# Altium PCB GE21_M1_pku_f100.PcbDoc (part 9 of 19)
Units mm, origin at the board's own origin, x right, y up, seen from the top; angles counter-clockwise.
Board outline 423.9 x 668.59 mm, 8 copper layers (Top Layer, Signal 1, DGNG1, POWER, AGND, DGND2, Signal 2, Bottom Layer), stack 1.03 mm thick; 171 components, 336 nets, 2040 pads, 4872 vias.
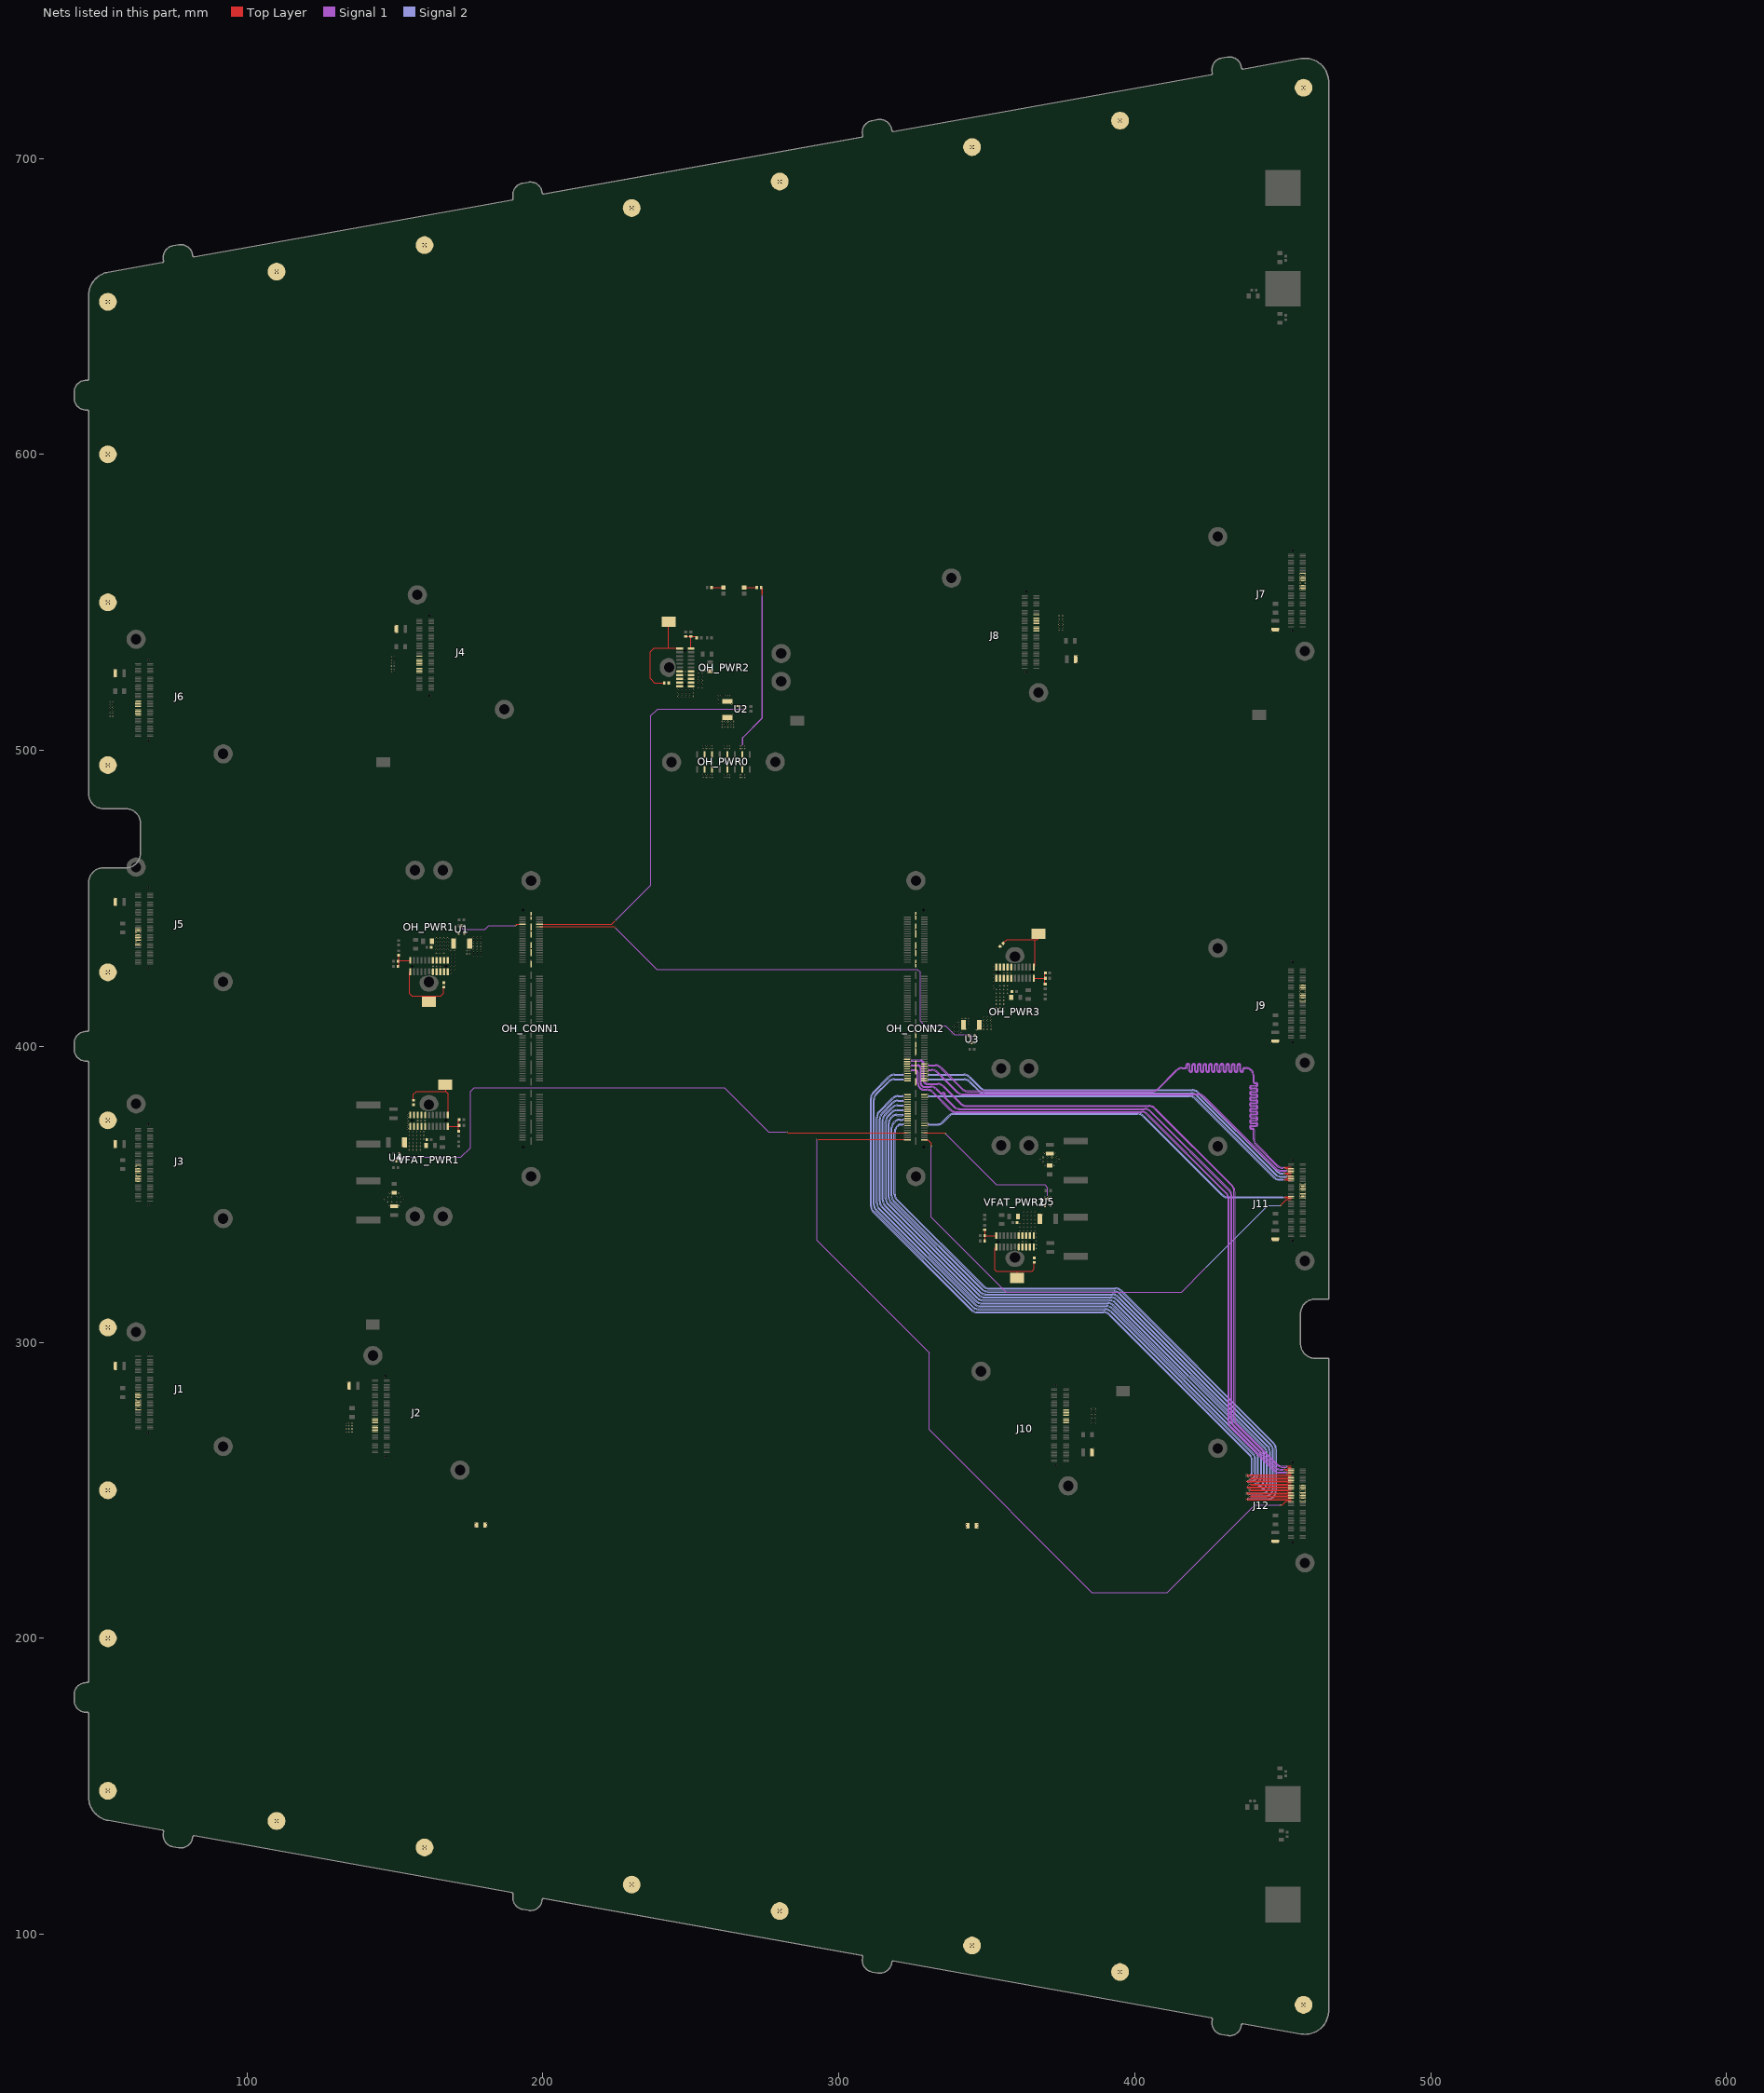
[diagram p15: the nets of this part, all layers, seen from the top]

## Via types
v1: diameter 0.508, hole 0.203, Top Layer to Bottom Layer, tented both sides, 1688 vias
v2: diameter 0.402/0.402/0.402/0.201 (per signal layer), hole 0.201, Top Layer to Bottom Layer, tented both sides, 1040 vias
v3: diameter 0.507, hole 0.202, Top Layer to Bottom Layer, tented both sides, 780 vias
v4: diameter 0.4, hole 0, Top Layer to Bottom Layer, tented both sides, 438 vias
v5: diameter 0.4, hole 0.2, Top Layer to Bottom Layer, tented both sides, 288 vias
v6: diameter 0.51, hole 0.204, Top Layer to Bottom Layer, tented both sides, 288 vias
v7: diameter 0.6/0.4/0.4/0.4 (per signal layer), hole 0.3, Top Layer to Bottom Layer, tented both sides, 254 vias
v8: diameter 0.402, hole 0.201, Top Layer to Bottom Layer, tented both sides, 96 vias

## Nets (pads, with @x,y where several pads share a name; then routed paths per layer and width w, separated by ;. In a path a pad name is that pad's centre, name@x,y a point inside that pad or via, vN(x,y) a via of type N, cw(c..) or ccw(c..) an arc to the next point about the centre after c; other vN are vias at no path point) (continued)
J11D6_N: J11.80 OH_CONN2.40 | length 134.4
  Top Layer w0.115: v5(450.5,355.3) ccw(c450.802,355.602) 450.802,355.175 451.625,355.175 451.7,355.25 J11.80@452.75,355.25
  Signal 2 w0.115: v6(330,383.6) ccw(c330.543,384.143) 330.543,383.375 418.428,383.375 cw(c418.428,380.485) 420.471,382.529 447.081,355.919 ccw(c448.877,357.715) 448.877,355.175 450.198,355.175 ccw(c450.198,355.602) v5(450.5,355.3)
  other v4: 450.43,355.3 450.57,355.3
J11D6_P: J11.78 OH_CONN2.38 | length 134.4
  Top Layer w0.115: v5(450.5,354.7) cw(c450.802,354.398) 450.802,354.825 451.625,354.825 451.7,354.75 J11.78@452.75,354.75
  Signal 2 w0.115: v6(330,382.8) cw(c330.543,382.257) 330.543,383.025 418.428,383.025 cw(c418.428,380.485) 420.224,382.281 442.253,360.253 446.834,355.671 ccw(c448.877,357.715) 448.877,354.825 450.198,354.825 cw(c450.198,354.398) v5(450.5,354.7)
  other v4: 450.43,354.7 450.57,354.7
J11D7_N: J11.84 OH_CONN2.44 | length 136
  Top Layer w0.25: v5(451.5,356.3) 451.55,356.25 J11.84@452.75,356.25
  Signal 2 w0.115: v6(330,389.2) ccw(c330.543,389.743) 330.543,388.975 342.328,388.975 cw(c342.328,386.085) 343.321,388.799 cw(c342.328,386.085) 344.371,388.129 347.406,385.094 ccw(c349.202,386.89) 349.202,384.35 418.953,384.35 cw(c418.953,381.46) 420.996,383.504 447.581,356.919 ccw(c449.377,358.715) 449.377,356.175 451.198,356.175 ccw(c451.198,356.602) v5(451.5,356.3)
  other v4: 451.43,356.3
J11D7_P: J11.82 OH_CONN2.42 | length 136
  Top Layer w0.25: v5(451.5,355.7) 451.55,355.75 J11.82@452.75,355.75
  Signal 2 w0.115: v6(330,388.4) cw(c330.543,387.857) 330.543,388.625 342.328,388.625 cw(c342.328,386.085) 343.13,388.495 cw(c342.328,386.085) 344.124,387.881 347.159,384.846 ccw(c349.202,386.89) 349.202,384 418.953,384 cw(c418.953,381.46) 420.749,383.256 447.334,356.671 ccw(c449.377,358.715) 449.377,355.825 451.198,355.825 cw(c451.198,355.398) v5(451.5,355.7)
  other v4: 451.43,355.7
J11D8_N: J11.88 OH_CONN2.48 | length 138
  Top Layer w0.115: v5(450.5,357.3) ccw(c450.802,357.602) 450.802,357.175 451.625,357.175 451.7,357.25 J11.88@452.75,357.25
  Signal 2 w0.115: v6(330,390.8) ccw(c330.543,391.343) 330.543,390.575 333.1,390.575 ; 331.375,390.575 342.228,390.575 cw(c342.228,387.685) 344.271,389.729 347.906,386.094 ccw(c349.702,387.89) 349.702,385.35 419.453,385.35 cw(c419.453,382.46) 421.496,384.504 448.081,357.919 ccw(c449.877,359.715) 449.877,357.175 450.198,357.175 ccw(c450.198,357.602) v5(450.5,357.3)
  other v4: 450.43,357.3 450.57,357.3
J11D8_P: J11.86 OH_CONN2.46 | length 138
  Top Layer w0.115: v5(450.5,356.7) cw(c450.802,356.398) 450.802,356.825 451.625,356.825 451.7,356.75 J11.86@452.75,356.75
  Signal 2 w0.115: v6(330,390) cw(c330.543,389.457) 330.543,390.225 333.1,390.225 ; 331.375,390.225 342.228,390.225 cw(c342.228,387.685) 344.024,389.481 347.659,385.846 ccw(c349.702,387.89) 349.702,385 419.453,385 cw(c419.453,382.46) 421.249,384.256 447.253,358.253 447.834,357.671 ccw(c449.877,359.715) 449.877,356.825 450.198,356.825 cw(c450.198,356.398) v5(450.5,356.7)
  other v4: 450.43,356.7 450.57,356.7
J11Reset: J11.52 OH_CONN2.2 | length 172.8
  Top Layer w0.2: OH_CONN2.2@328.865,368.4 330.1,368.4 331.25,367.25 v1(331.25,366.25) ; v1(449.25,346.25) 451.25,348.25 J11.52@452.75,348.25
  Signal 1 w0.2: v1(331.25,366.25) 331.25,342.25 356.5,317 415.75,317 v1(423.75,325)
  Signal 2 w0.2: v1(423.75,325) 445,346.25 v1(449.25,346.25)
J11RXD_N: J11.96 OH_CONN2.56 | length 234.6
  Top Layer w0.115: v5(450.5,359.3) ccw(c450.802,359.602) 450.802,359.175 451.625,359.175 451.7,359.25 J11.96@452.75,359.25
  Signal 1 w0.115: v6(330,394) ccw(c330.543,394.543) 330.543,393.775 332.528,393.775 cw(c332.528,390.885) 334.571,392.929 ; 334.571,392.929 341.756,385.744 ccw(c343.552,387.54) 343.552,385 405.948,385 ccw(c405.948,387.54) 407.744,385.744 414.004,392.004 cw(c416.047,389.96) 416.047,392.85 417.096,392.85 ccw(c417.096,393.058) 417.304,393.058 417.304,393.562 cw(c417.862,393.562) 417.862,394.12 418.054,394.12 cw(c418.054,393.562) 418.612,393.562 418.612,391.788 ccw(c418.82,391.788) 418.82,391.58 419.012,391.58 ccw(c419.012,391.788) 419.22,391.788 419.22,393.562 cw(c419.778,393.562) 419.778,394.12 419.97,394.12 cw(c419.97,393.562) 420.528,393.562 420.528,391.788 ccw(c420.736,391.788) 420.736,391.58 420.928,391.58 ccw(c420.928,391.788) 421.136,391.788 421.136,393.562 cw(c421.694,393.562) 421.694,394.12 421.886,394.12 cw(c421.886,393.562) 422.444,393.562 422.444,391.788 ccw(c422.652,391.788) 422.652,391.58 422.844,391.58 ccw(c422.844,391.788) 423.052,391.788 423.052,393.562 cw(c423.61,393.562) 423.61,394.12 423.802,394.12 cw(c423.802,393.562) 424.36,393.562 424.36,391.788 ccw(c424.568,391.788) 424.568,391.58 424.76,391.58 ccw(c424.76,391.788) 424.968,391.788 424.968,393.562 cw(c425.526,393.562) 425.526,394.12 425.718,394.12 cw(c425.718,393.562) 426.276,393.562 426.276,391.788 ccw(c426.484,391.788) 426.484,391.58 426.676,391.58 ccw(c426.676,391.788) 426.884,391.788 426.884,393.562 cw(c427.442,393.562) 427.442,394.12 427.634,394.12 cw(c427.634,393.562) 428.192,393.562 428.192,391.788 ccw(c428.4,391.788) 428.4,391.58 428.592,391.58 ccw(c428.592,391.788) 428.8,391.788 428.8,393.562 cw(c429.358,393.562) 429.358,394.12 429.55,394.12 cw(c429.55,393.562) 430.108,393.562 430.108,391.788 ccw(c430.316,391.788) 430.316,391.58 430.508,391.58 ccw(c430.508,391.788) 430.716,391.788 430.716,393.562 cw(c431.274,393.562) 431.274,394.12 431.466,394.12 cw(c431.466,393.562) 432.024,393.562 432.024,391.788 ccw(c432.232,391.788) 432.232,391.58 432.424,391.58 ccw(c432.424,391.788) 432.632,391.788 432.632,393.562 cw(c433.19,393.562) 433.19,394.12 433.382,394.12 cw(c433.382,393.562) 433.94,393.562 433.94,391.788 ccw(c434.148,391.788) 434.148,391.58 434.34,391.58 ccw(c434.34,391.788) 434.548,391.788 434.548,393.562 cw(c435.106,393.562) 435.106,394.12 435.298,394.12 cw(c435.298,393.562) 435.856,393.562 435.856,391.788 ccw(c436.064,391.788) 436.064,391.58 436.256,391.58 ccw(c436.256,391.788) 436.464,391.788 436.464,392.292 cw(c437.022,392.292) 437.022,392.85 437.46,392.85 cw(c437.46,389.96) 440.35,389.96 440.35,387.904 ccw(c440.558,387.904) 440.558,387.696 441.032,387.696 cw(c441.032,387.138) 441.591,387.138 441.591,386.946 cw(c441.032,386.946) 441.032,386.388 439.318,386.388 ccw(c439.318,386.18) 439.109,386.18 439.109,385.988 ccw(c439.318,385.988) 439.318,385.78 441.032,385.78 cw(c441.032,385.222) 441.591,385.222 441.591,385.03 cw(c441.032,385.03) 441.032,384.472 439.318,384.472 ccw(c439.318,384.264) 439.109,384.264 439.109,384.072 ccw(c439.318,384.072) 439.318,383.864 441.032,383.864 cw(c441.032,383.306) 441.591,383.306 441.591,383.114 cw(c441.032,383.114) 441.032,382.556 439.318,382.556 ccw(c439.318,382.348) 439.109,382.348 439.109,382.156 ccw(c439.318,382.156) 439.318,381.948 441.032,381.948 cw(c441.032,381.39) 441.591,381.39 441.591,381.198 cw(c441.032,381.198) 441.032,380.64 439.318,380.64 ccw(c439.318,380.432) 439.109,380.432 439.109,380.24 ccw(c439.318,380.24) 439.318,380.032 441.032,380.032 cw(c441.032,379.474) 441.591,379.474 441.591,379.282 cw(c441.032,379.282) 441.032,378.724 439.318,378.724 ccw(c439.318,378.516) 439.109,378.516 439.109,378.324 ccw(c439.318,378.324) 439.318,378.116 441.032,378.116 cw(c441.032,377.558) 441.591,377.558 441.591,377.366 cw(c441.032,377.366) 441.032,376.808 439.318,376.808 ccw(c439.318,376.6) 439.109,376.6 439.109,376.408 ccw(c439.318,376.408) 439.318,376.2 441.032,376.2 cw(c441.032,375.642) 441.591,375.642 441.591,375.45 cw(c441.032,375.45) 441.032,374.892 439.318,374.892 ccw(c439.318,374.684) 439.109,374.684 439.109,374.492 ccw(c439.318,374.492) 439.318,374.284 441.032,374.284 cw(c441.032,373.726) 441.591,373.726 441.591,373.534 cw(c441.032,373.534) 441.032,372.976 439.318,372.976 ccw(c439.318,372.768) 439.109,372.768 439.109,372.576 ccw(c439.318,372.576) 439.318,372.368 439.792,372.368 cw(c439.792,371.81) 440.35,371.81 440.35,368.702 ccw(c442.89,368.702) 441.094,366.906 448.153,359.847 ccw(c449.775,361.469) 449.775,359.175 450.198,359.175 ccw(c450.198,359.602) v5(450.5,359.3)
  other v4: 450.43,359.3 450.57,359.3
J11RXD_P: J11.94 OH_CONN2.54 | length 234.6
  Top Layer w0.115: v5(450.5,358.7) cw(c450.802,358.398) 450.802,358.825 451.625,358.825 451.7,358.75 J11.94@452.75,358.75
  Signal 1 w0.115: v6(330,393.2) cw(c330.543,392.657) 330.543,393.425 332.528,393.425 cw(c332.528,390.885) 334.324,392.681 341.509,385.496 ccw(c343.552,387.54) 343.552,384.65 405.948,384.65 ccw(c405.948,387.54) 407.991,385.496 414.251,391.756 cw(c416.047,389.96) 416.047,392.5 417.096,392.5 ccw(c417.096,393.058) 417.654,393.058 417.654,393.562 cw(c417.862,393.562) 417.862,393.77 418.054,393.77 cw(c418.054,393.562) 418.262,393.562 418.262,391.788 ccw(c418.82,391.788) 418.82,391.23 419.012,391.23 ccw(c419.012,391.788) 419.57,391.788 419.57,393.562 cw(c419.778,393.562) 419.778,393.77 419.97,393.77 cw(c419.97,393.562) 420.178,393.562 420.178,391.788 ccw(c420.736,391.788) 420.736,391.23 420.928,391.23 ccw(c420.928,391.788) 421.486,391.788 421.486,393.562 cw(c421.694,393.562) 421.694,393.77 421.886,393.77 cw(c421.886,393.562) 422.094,393.562 422.094,391.788 ccw(c422.652,391.788) 422.652,391.23 422.844,391.23 ccw(c422.844,391.788) 423.402,391.788 423.402,393.562 cw(c423.61,393.562) 423.61,393.77 423.802,393.77 cw(c423.802,393.562) 424.01,393.562 424.01,391.788 ccw(c424.568,391.788) 424.568,391.23 424.76,391.23 ccw(c424.76,391.788) 425.318,391.788 425.318,393.562 cw(c425.526,393.562) 425.526,393.77 425.718,393.77 cw(c425.718,393.562) 425.926,393.562 425.926,391.788 ccw(c426.484,391.788) 426.484,391.23 426.676,391.23 ccw(c426.676,391.788) 427.234,391.788 427.234,393.562 cw(c427.442,393.562) 427.442,393.77 427.634,393.77 cw(c427.634,393.562) 427.842,393.562 427.842,391.788 ccw(c428.4,391.788) 428.4,391.23 428.592,391.23 ccw(c428.592,391.788) 429.15,391.788 429.15,393.562 cw(c429.358,393.562) 429.358,393.77 429.55,393.77 cw(c429.55,393.562) 429.758,393.562 429.758,391.788 ccw(c430.316,391.788) 430.316,391.23 430.508,391.23 ccw(c430.508,391.788) 431.066,391.788 431.066,393.562 cw(c431.274,393.562) 431.274,393.77 431.466,393.77 cw(c431.466,393.562) 431.674,393.562 431.674,391.788 ccw(c432.232,391.788) 432.232,391.23 432.424,391.23 ccw(c432.424,391.788) 432.982,391.788 432.982,393.562 cw(c433.19,393.562) 433.19,393.77 433.382,393.77 cw(c433.382,393.562) 433.59,393.562 433.59,391.788 ccw(c434.148,391.788) 434.148,391.23 434.34,391.23 ccw(c434.34,391.788) 434.898,391.788 434.898,393.562 cw(c435.106,393.562) 435.106,393.77 435.298,393.77 cw(c435.298,393.562) 435.506,393.562 435.506,391.788 ccw(c436.064,391.788) 436.064,391.23 436.256,391.23 ccw(c436.256,391.788) 436.814,391.788 436.814,392.292 cw(c437.022,392.292) 437.022,392.5 437.46,392.5 cw(c437.46,389.96) 440,389.96 440,387.904 ccw(c440.558,387.904) 440.558,387.346 441.032,387.346 cw(c441.032,387.138) 441.241,387.138 441.241,386.946 cw(c441.032,386.946) 441.032,386.738 439.318,386.738 ccw(c439.318,386.18) 438.759,386.18 438.759,385.988 ccw(c439.318,385.988) 439.318,385.43 441.032,385.43 cw(c441.032,385.222) 441.241,385.222 441.241,385.03 cw(c441.032,385.03) 441.032,384.822 439.318,384.822 ccw(c439.318,384.264) 438.759,384.264 438.759,384.072 ccw(c439.318,384.072) 439.318,383.514 441.032,383.514 cw(c441.032,383.306) 441.241,383.306 441.241,383.114 cw(c441.032,383.114) 441.032,382.906 439.318,382.906 ccw(c439.318,382.348) 438.759,382.348 438.759,382.156 ccw(c439.318,382.156) 439.318,381.598 441.032,381.598 cw(c441.032,381.39) 441.241,381.39 441.241,381.198 cw(c441.032,381.198) 441.032,380.99 439.318,380.99 ccw(c439.318,380.432) 438.759,380.432 438.759,380.24 ccw(c439.318,380.24) 439.318,379.682 441.032,379.682 cw(c441.032,379.474) 441.241,379.474 441.241,379.282 cw(c441.032,379.282) 441.032,379.074 439.318,379.074 ccw(c439.318,378.516) 438.759,378.516 438.759,378.324 ccw(c439.318,378.324) 439.318,377.766 441.032,377.766 cw(c441.032,377.558) 441.241,377.558 441.241,377.366 cw(c441.032,377.366) 441.032,377.158 439.318,377.158 ccw(c439.318,376.6) 438.759,376.6 438.759,376.408 ccw(c439.318,376.408) 439.318,375.85 441.032,375.85 cw(c441.032,375.642) 441.241,375.642 441.241,375.45 cw(c441.032,375.45) 441.032,375.242 439.318,375.242 ccw(c439.318,374.684) 438.759,374.684 438.759,374.492 ccw(c439.318,374.492) 439.318,373.934 441.032,373.934 cw(c441.032,373.726) 441.241,373.726 441.241,373.534 cw(c441.032,373.534) 441.032,373.326 439.318,373.326 ccw(c439.318,372.768) 438.759,372.768 438.759,372.576 ccw(c439.318,372.576) 439.318,372.018 439.792,372.018 cw(c439.792,371.81) 440,371.81 440,368.702 ccw(c442.89,368.702) 440.846,366.659 447.906,359.599 ccw(c449.775,361.469) 449.775,358.825 450.198,358.825 cw(c450.198,358.398) v5(450.5,358.7)
  other v4: 450.43,358.7 450.57,358.7
J11Strobe_N: J11.56 OH_CONN2.16 | length 135.6
  Top Layer w0.115: v5(450.5,349.3) ccw(c450.802,349.602) 450.802,349.175 451.625,349.175 451.7,349.25 J11.56@452.75,349.25
  Signal 2 w0.115: v6(330,374) ccw(c330.543,374.543) 330.543,373.775 333.223,373.775 ccw(c333.223,376.315) 335.019,374.519 337.004,376.504 cw(c339.047,374.46) 339.047,377.35 400.948,377.35 cw(c400.948,374.46) 402.991,376.504 429.576,349.919 ccw(c431.372,351.715) 431.372,349.175 450.198,349.175 ccw(c450.198,349.602) v5(450.5,349.3)
  other v4: 450.43,349.3 450.57,349.3
J11Strobe_P: J11.54 OH_CONN2.14 | length 135.6
  Top Layer w0.115: v4@450.5,348.7 cw(c450.802,348.398) 450.802,348.825 451.625,348.825 451.7,348.75 J11.54@452.75,348.75
  Signal 2 w0.115: v6(330,373.2) cw(c330.543,372.657) 330.543,373.425 333.223,373.425 ccw(c333.223,376.315) 335.266,374.271 337.251,376.256 cw(c339.047,374.46) 339.047,377 400.948,377 cw(c400.948,374.46) 402.744,376.256 429.329,349.671 ccw(c431.372,351.715) 431.372,348.825 450.198,348.825 cw(c450.198,348.398) v5(450.5,348.7)
  other v4: 450.43,348.7 450.57,348.7
J11TXD_N: J11.92 OH_CONN2.52 | length 136.5
  Top Layer w0.25: v5(451.5,358.3) 451.55,358.25 J11.92@452.75,358.25
  Signal 1 w0.115: v6(330,392.4) ccw(c330.543,392.943) 330.543,392.175 331.378,392.175 cw(c331.378,389.285) 333.421,391.329 340.006,384.744 ccw(c341.802,386.54) 341.802,384 421.303,384 cw(c421.303,381.11) 423.346,383.154 447.581,358.919 ccw(c449.377,360.715) 449.377,358.175 451.198,358.175 ccw(c451.198,358.602) v5(451.5,358.3)
  other v4: 451.43,358.3
J11TXD_P: J11.90 OH_CONN2.50 | length 136.5
  Top Layer w0.25: v5(451.5,357.7) 451.55,357.75 J11.90@452.75,357.75
  Signal 1 w0.115: v6(330,391.6) cw(c330.543,391.057) 330.543,391.825 331.378,391.825 cw(c331.378,389.285) 333.174,391.081 339.759,384.496 ccw(c341.802,386.54) 341.802,383.65 421.303,383.65 cw(c421.303,381.11) 423.099,382.906 447.334,358.671 ccw(c449.377,360.715) 449.377,357.825 451.198,357.825 cw(c451.198,357.398) v5(451.5,357.7)
  other v4: 451.43,357.7
J12CLK_N: J12.100 OH_CONN2.59 | length 234.6
  Top Layer w0.25: v5(451.5,258.3) 451.55,258.25 J12.100@452.75,258.25
  Signal 1 w0.115: v6@324.25,395.6 ccw(c324.793,396.143) 324.793,395.375 327.475,395.375 cw(c327.475,394) 328.85,394 328.85,388.5 ccw(c329.85,388.5) 329.85,387.5 333.303,387.5 cw(c333.303,384.61) 335.346,386.654 341.256,380.744 ccw(c343.052,382.54) 343.052,380 404.798,380 cw(c404.798,377.11) 406.841,379.154 433.004,352.991 ; 433.004,352.991 cw(c430.96,350.948) 433.85,350.948 433.85,274.202 ccw(c436.39,274.202) 434.594,272.406 448.081,258.919 ccw(c449.877,260.715) 449.877,258.175 451.198,258.175 ccw(c451.198,258.602) v5(451.5,258.3)
  other v4: 451.43,258.3
  other v6: 324.25,395.6
J12CLK_P: J12.98 OH_CONN2.57 | length 234.6
  Top Layer w0.25: v5(451.5,257.7) 451.55,257.75 J12.98@452.75,257.75
  Signal 1 w0.115: v6(324.25,394.8) cw(c324.793,394.257) 324.793,395.025 327.475,395.025 cw(c327.475,394) 328.5,394 328.5,388.5 ccw(c329.85,388.5) 329.85,387.15 333.303,387.15 cw(c333.303,384.61) 335.099,386.406 341.009,380.496 ccw(c343.052,382.54) 343.052,379.65 404.798,379.65 cw(c404.798,377.11) 406.594,378.906 432.756,352.744 cw(c430.96,350.948) 433.5,350.948 433.5,274.202 ccw(c436.39,274.202) 434.346,272.159 447.834,258.671 ccw(c449.877,260.715) 449.877,257.825 451.198,257.825 cw(c451.198,257.398) v5(451.5,257.7)
  other v4: 451.43,257.7
J12D1_N: J12.60 OH_CONN2.19 | length 230.3
  Top Layer w0.115: v5(438.75,248.3) ccw(c439.052,248.602) 439.052,248.175 451.625,248.175 451.7,248.25 J12.60@452.75,248.25
  Signal 2 w0.115: v6(322,375.6) cw(c321.457,376.143) 321.457,375.375 320.677,375.375 ccw(c320.677,372.485) 318.634,374.529 318.453,374.347 ccw(c320.39,372.41) 317.65,372.41 317.65,349.552 ccw(c320.54,349.552) 318.496,347.509 348.159,317.846 ccw(c350.202,319.89) 350.202,317 392.948,317 cw(c392.948,314.46) 394.744,316.256 445.756,265.244 cw(c443.96,263.448) 446.5,263.448 446.5,250.715 cw(c443.96,250.715) 443.96,248.175 439.052,248.175 cw(c439.052,248.602) v5(438.75,248.3)
  other v4: 438.68,248.3 438.82,248.3
J12D1_P: J12.58 OH_CONN2.17 | length 230.3
  Top Layer w0.115: v5(438.75,247.7) cw(c439.052,247.398) 439.052,247.825 451.625,247.825 451.7,247.75 J12.58@452.75,247.75
  Signal 2 w0.115: v6(322,374.8) ccw(c321.457,374.257) 321.457,375.025 320.677,375.025 ccw(c320.677,372.485) 318.881,374.281 318.7,374.1 ccw(c320.39,372.41) 318,372.41 318,349.552 ccw(c320.54,349.552) 318.744,347.756 348.406,318.094 ccw(c350.202,319.89) 350.202,317.35 392.948,317.35 cw(c392.948,314.46) 394.991,316.504 446.004,265.491 cw(c443.96,263.448) 446.85,263.448 446.85,250.715 cw(c443.96,250.715) 443.96,247.825 439.052,247.825 ccw(c439.052,247.398) v5(438.75,247.7)
  other v4: 438.68,247.7 438.82,247.7
J12D2_N: J12.64 OH_CONN2.23 | length 233.5
  Top Layer w0.115: v5(437.75,249.3) ccw(c438.052,249.602) 438.052,249.175 451.625,249.175 451.7,249.25 J12.64@452.75,249.25
  Signal 2 w0.115: v5(437.75,249.3) ccw(c438.052,249.602) 438.052,249.175 442.96,249.175 ccw(c442.96,251.715) 445.5,251.715 445.5,262.948 ccw(c442.96,262.948) 444.756,264.744 394.244,315.256 ccw(c392.448,313.46) 392.448,316 349.702,316 cw(c349.702,318.89) 347.659,316.846 317.496,347.009 cw(c319.54,349.052) 316.65,349.052 316.65,373.948 cw(c319.54,373.948) 317.496,375.991 317.753,376.247 cw(c319.509,374.491) 319.509,376.975 321.457,376.975 ; 321.457,376.975 ccw(c321.457,377.743) v6(322,377.2) cw(c321.457,377.743) 321.457,376.975
  other v4: 437.68,249.3 437.82,249.3
J12D2_P: J12.62 OH_CONN2.21 | length 233.5